# KiCad board mxm_immobilizer.kicad_pcb (continued)
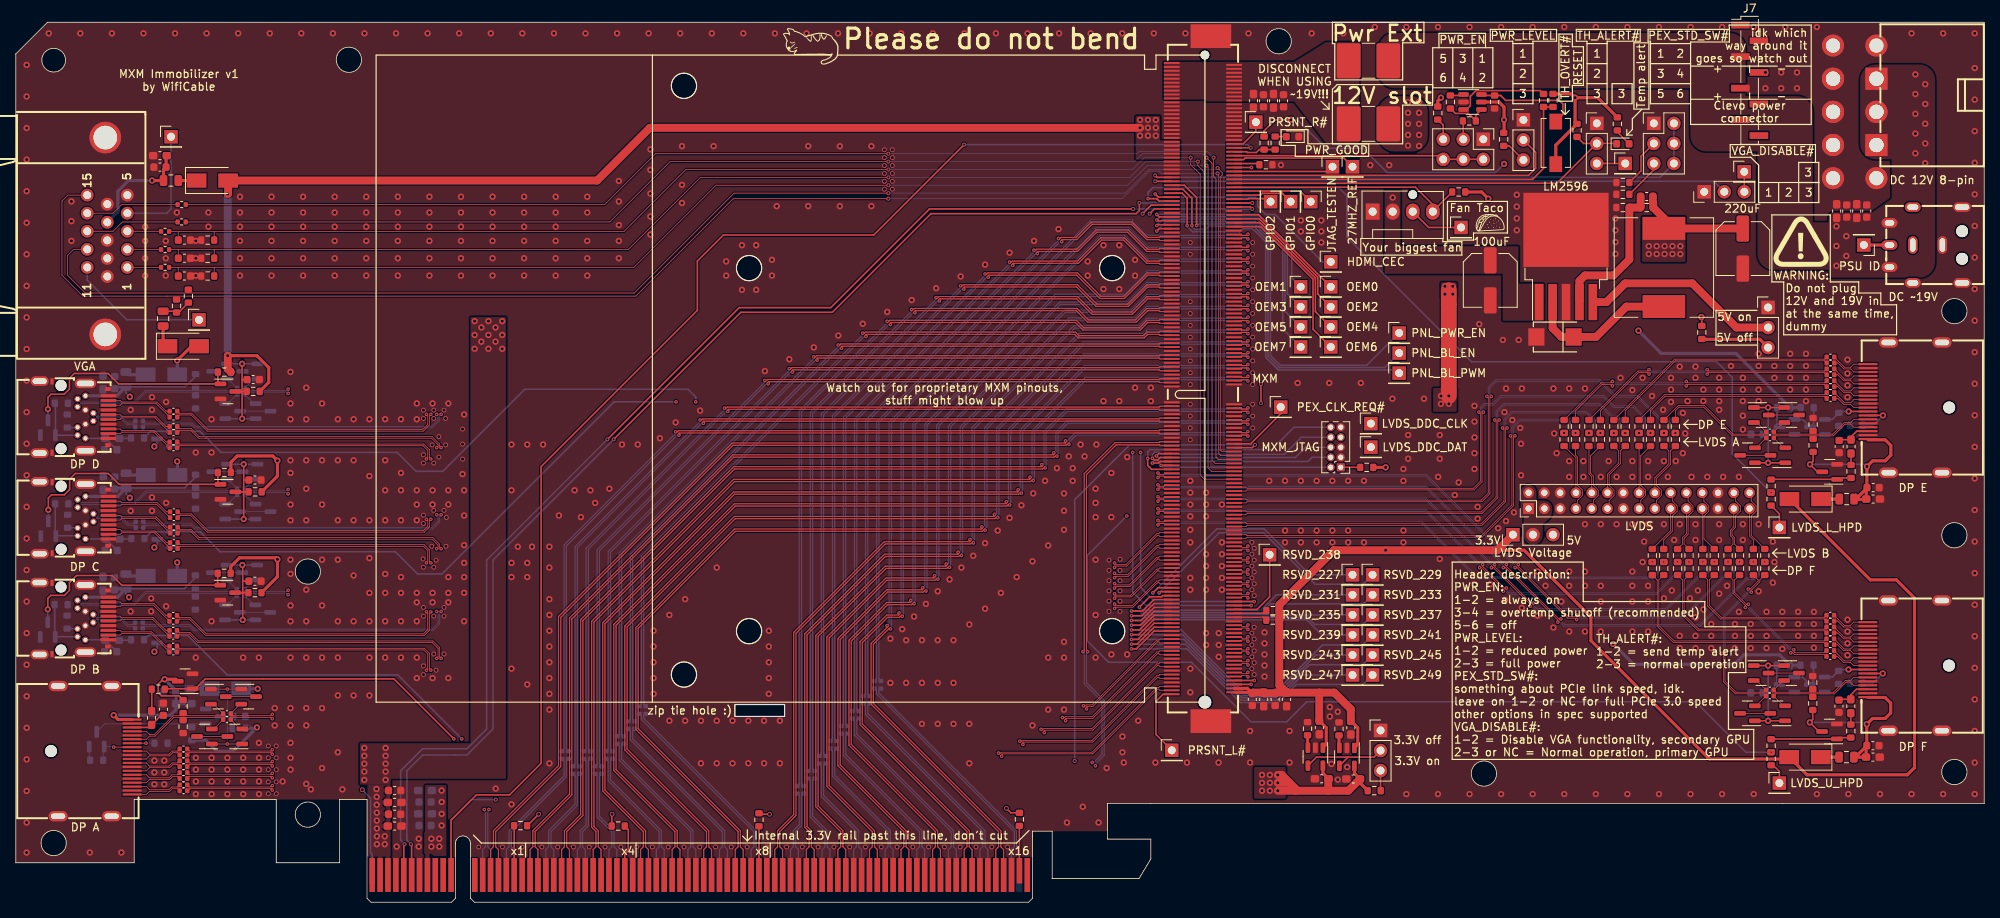
[diagram p0: board, top side]
## Routing (per net, layer and track width the routed paths; a pad name or vN(x,y) marks a point on that pad's centre or on a via; arc(x,y) is an arc through that point) (continued)
/TX7-: length 138.9
  Top w0.15: v3(122.81,47.14) 122.6,47.14 122.46,47 91.16,47 78.84,34.68 78.84,22.01 91.8,9.06 91.8,7.03 92.15,6.68 PCIe_x16_1.B46 ; v3(156.1,72.05) 155.95,72.2 155.33,72.2 155.23,72.1 MXM1.98
  Bottom w0.15: v3(156.1,72.05) 155.95,72.2 143.41,72.2 142.96,71.75 134.76,71.75 123.05,60.04 123.05,47.58 122.81,47.35 v3(122.81,47.14)
/TX8+: length 116.1
  Top w0.15: MXM1.90 155.23,74.1 155.33,73.99 155.95,73.99 v3(156.1,74.14) ; v3(120.89,45.95) 120.89,45.74 120.84,45.69 110.04,45.69 98.55,34.21 98.55,11.11 96.5,9.06 96.5,7.03 96.15,6.68 PCIe_x16_1.B50
  Bottom w0.15: v3(156.1,74.14) 155.95,73.99 143.29,73.99 142.34,73.04 134.04,73.04 121.15,60.16 121.15,46.01 121.1,45.95 v3(120.89,45.95)
/TX8-: length 115.6
  Top w0.15: MXM1.92 155.23,73.6 155.33,73.7 155.95,73.7 v3(156.1,73.55) ; v3(121.31,45.54) 121.1,45.54 120.96,45.4 110.16,45.4 98.84,34.08 98.84,10.99 96.8,8.94 96.8,7.03 97.15,6.68 PCIe_x16_1.B51
  Bottom w0.15: v3(121.31,45.54) 121.31,45.75 121.45,45.88 121.45,60.04 134.16,72.75 142.46,72.75 143.41,73.7 155.95,73.7 v3(156.1,73.55)
/TX9+: length 115.6
  Top w0.15: MXM1.84 155.23,75.6 155.33,75.49 155.95,75.49 v3(156.1,75.64) ; v3(119.39,44.35) 119.39,44.14 119.35,44.1 110.05,44.1 99.95,34.01 99.95,9.49 100.5,8.94 100.5,7.03 100.15,6.68 PCIe_x16_1.B54
  Bottom w0.15: v3(119.39,44.35) 119.6,44.35 119.65,44.41 119.65,60.26 133.44,74.04 141.84,74.04 143.29,75.49 155.95,75.49 v3(156.1,75.64)
/TX9-: length 115.1
  Top w0.15: MXM1.86 155.23,75.1 155.33,75.2 155.95,75.2 v3(156.1,75.05) ; v3(119.81,43.94) 119.6,43.94 119.47,43.81 110.17,43.81 100.24,33.88 100.24,9.61 100.8,9.06 100.8,7.03 101.15,6.68 PCIe_x16_1.B55
  Bottom w0.15: v3(156.1,75.05) 155.95,75.2 143.41,75.2 141.96,73.75 133.56,73.75 119.95,60.14 119.95,44.28 119.81,44.15 v3(119.81,43.94)
/TX10+: length 116.7
  Top w0.15: v3(156.1,77.14) 155.95,76.99 155.33,76.99 155.23,77.1 MXM1.78 ; PCIe_x16_1.B58 104.15,6.68 104.51,7.03 104.51,8.94 101.36,12.09 101.36,33.81 110.14,42.59 117.84,42.59 117.89,42.64 v3(117.89,42.85)
  Bottom w0.15: v3(117.89,42.85) 118.1,42.85 118.15,42.91 118.15,60.36 132.84,75.04 141.34,75.04 143.29,76.99 155.95,76.99 v3(156.1,77.14)
/TX10-: length 116.2
  Top w0.15: v3(156.1,76.55) 155.95,76.7 155.33,76.7 155.23,76.6 MXM1.80 ; PCIe_x16_1.B59 105.15,6.68 104.8,7.03 104.8,9.06 101.64,12.21 101.64,33.68 110.26,42.3 117.96,42.3 118.1,42.44 v3(118.31,42.44)
  Bottom w0.15: v3(156.1,76.55) 155.95,76.7 143.41,76.7 141.46,74.75 132.96,74.75 118.45,60.24 118.45,42.78 118.31,42.65 v3(118.31,42.44)
/TX11+: length 117.8
  Top w0.15: MXM1.72 155.23,78.6 155.33,78.49 155.95,78.49 v3(156.1,78.64) ; PCIe_x16_1.B62 108.15,6.68 108.51,7.03 108.51,8.94 102.76,14.69 102.76,33.61 110.24,41.09 116.34,41.09 116.39,41.14 v3(116.39,41.35)
  Bottom w0.15: v3(156.1,78.64) 155.95,78.49 143.29,78.49 140.84,76.04 132.24,76.04 116.65,60.46 116.65,41.41 116.6,41.35 v3(116.39,41.35)
/TX11-: length 117.3
  Top w0.15: PCIe_x16_1.B63 109.15,6.68 108.8,7.03 108.8,9.06 103.05,14.81 103.05,33.48 110.36,40.8 116.46,40.8 116.6,40.94 v3(116.81,40.94) ; MXM1.74 155.23,78.1 155.33,78.2 155.95,78.2 v3(156.1,78.05)
  Bottom w0.15: v3(116.81,40.94) 116.81,41.15 116.95,41.28 116.95,60.34 132.36,75.75 140.96,75.75 143.41,78.2 155.95,78.2 v3(156.1,78.05)
/TX12+: length 118.9
  Top w0.15: MXM1.66 155.23,80.1 155.33,79.99 155.95,79.99 v3(156.1,80.14) ; PCIe_x16_1.B66 112.15,6.68 112.51,7.03 112.51,8.94 104.15,17.29 104.15,33.41 110.34,39.59 114.84,39.59 114.89,39.64 v3(114.89,39.85)
  Bottom w0.15: v3(156.1,80.14) 155.95,79.99 143.29,79.99 140.34,77.04 131.64,77.04 115.15,60.56 115.15,39.91 115.1,39.85 v3(114.89,39.85)
/TX12-: length 118.5
  Top w0.15: PCIe_x16_1.B67 113.15,6.68 112.8,7.03 112.8,9.06 104.45,17.41 104.45,33.28 110.46,39.3 114.96,39.3 115.1,39.44 v3(115.31,39.44) ; MXM1.68 155.23,79.6 155.33,79.7 155.95,79.7 v3(156.1,79.55)
  Bottom w0.15: v3(115.31,39.44) 115.31,39.65 115.45,39.78 115.45,60.44 131.76,76.75 140.46,76.75 143.41,79.7 155.95,79.7 v3(156.1,79.55)
/TX13+: length 122.6
  Top w0.15: PCIe_x16_1.B70 116.15,6.68 116.51,7.03 116.51,8.94 105.55,19.89 105.55,33.21 110.34,37.99 113.34,37.99 113.39,38.04 v3(113.39,38.25) ; v3(156.1,81.64) 155.95,81.49 155.33,81.49 155.23,81.6 MXM1.60
  Bottom w0.15: v3(156.1,81.64) 155.95,81.49 143.41,81.49 140.46,84.44 137.44,84.44 113.65,60.66 113.65,38.31 113.6,38.25 v3(113.39,38.25)
/TX13-: length 122.1
  Top w0.15: v3(113.81,37.84) 113.6,37.84 113.46,37.7 110.46,37.7 105.84,33.08 105.84,20.01 116.8,9.06 116.8,7.03 117.15,6.68 PCIe_x16_1.B71 ; v3(156.1,81.05) 155.95,81.2 155.33,81.2 155.23,81.1 MXM1.62
  Bottom w0.15: v3(113.81,37.84) 113.81,38.05 113.95,38.18 113.95,60.54 137.56,84.15 140.34,84.15 143.29,81.2 155.95,81.2 v3(156.1,81.05)
/TX14+: length 123.3
  Top w0.15: v3(156.1,83.14) 155.95,82.99 155.33,82.99 155.23,83.1 MXM1.54 ; PCIe_x16_1.B74 120.15,6.68 120.51,7.03 120.51,8.94 106.95,22.49 106.95,33.01 110.34,36.39 111.84,36.39 111.89,36.44 v3(111.89,36.65)
  Bottom w0.15: v3(156.1,83.14) 155.95,82.99 143.41,82.99 140.96,85.44 136.84,85.44 112.15,60.76 112.15,36.71 112.1,36.65 v3(111.89,36.65)
/TX14-: length 122.8
  Top w0.15: v3(112.31,36.24) 112.1,36.24 111.96,36.1 110.46,36.1 107.24,32.88 107.24,22.61 120.8,9.06 120.8,7.03 121.15,6.68 PCIe_x16_1.B75 ; v3(156.1,82.55) 155.95,82.7 155.33,82.7 155.23,82.6 MXM1.56
  Bottom w0.15: v3(112.31,36.24) 112.31,36.45 112.45,36.58 112.45,60.64 136.96,85.15 140.84,85.15 143.29,82.7 155.95,82.7 v3(156.1,82.55)
/TX15+: length 124.1
  Top w0.15: MXM1.48 155.23,84.6 155.33,84.49 155.95,84.49 v3(156.1,84.64) ; v3(110.39,35.05) 110.39,34.84 108.36,32.81 108.36,25.09 124.51,8.94 124.51,7.03 124.15,6.68 PCIe_x16_1.B78
  Bottom w0.15: v3(156.1,84.64) 155.95,84.49 143.41,84.49 141.46,86.44 136.24,86.44 110.65,60.86 110.65,35.11 110.6,35.05 v3(110.39,35.05)
/TX15-: length 123.6
  Top w0.15: v3(110.81,34.64) 110.6,34.64 108.64,32.68 108.64,25.21 124.8,9.06 124.8,7.03 125.15,6.68 PCIe_x16_1.B79 ; MXM1.50 155.23,84.1 155.33,84.2 155.95,84.2 v3(156.1,84.05)
  Bottom w0.15: v3(110.81,34.64) 110.81,34.85 110.95,34.98 110.95,60.74 136.36,86.15 141.34,86.15 143.29,84.2 155.95,84.2 v3(156.1,84.05)
DP_A_AUX+: length 130
  Top w0.1: v3(32.5,23.24) 32.33,23.42 27.5,23.42 C57.1 28.43,21.95 Q24.2 ; v3(124.9,18.5) 124.9,18.75 124.94,18.79 136.44,18.79 144.64,26.99 144.8,26.99 144.95,26.85 MXM1.279
  In2.Cu w0.1: v3(124.9,18.5) 124.65,18.5 122.84,16.69 66.16,16.69 57.86,24.99 41.14,24.99 39.57,23.42 32.67,23.42 v3(32.5,23.24)
DP_A_AUX-: length 129.9
  Top w0.1: v3(32.5,23.8) 32.33,23.63 27.5,23.63 C56.1 28.43,25.1 Q23.2 ; MXM1.277 144.95,27.35 144.8,27.2 144.56,27.2 136.36,19 124.86,19 124.75,18.9 v3(124.5,18.9)
  In2.Cu w0.1: v3(124.5,18.9) 124.5,18.65 122.76,16.9 66.24,16.9 57.94,25.2 41.06,25.2 39.48,23.63 32.67,23.63 v3(32.5,23.8)
DP_A_HPD: length 153.5
  Top w0.2: R12.1 18.93,27.05 D10.1 22.75,27.05 24,28.3 47.9,28.3 v3(55.5,20.7) ; v3(156.5,27.6) MXM1.276
  In2.Cu w0.2: v3(156.5,27.6) 146,27.6 143.28,24.88 138.23,24.88 135.93,22.58 134.73,22.58 124.2,12.05 64.15,12.05 v3(55.5,20.7)
DP_A_L0+: length 139.8
  Top w0.1: MXM1.255 144.95,32.85 144.8,32.99 144.64,32.99 136.44,24.79 135.7,24.79 135.65,24.74 v3(135.65,24.49) ; C43.1 22,14.39 32.33,14.39 v3(32.5,14.21)
  In2.Cu w0.1: v3(32.5,14.21) 32.67,14.39 34.94,14.39 41.94,21.39 57.06,21.39 65.36,13.09 124,13.09 135.4,24.49 v3(135.65,24.49)
DP_A_L0-: length 139.8
  Top w0.1: MXM1.253 144.95,33.35 144.8,33.2 144.56,33.2 136.36,25 135.62,25 135.5,24.89 v3(135.26,24.89) ; C42.1 22,14.6 32.33,14.6 v3(32.5,14.77)
  In2.Cu w0.1: v3(135.26,24.89) 135.26,24.64 123.92,13.3 65.44,13.3 57.14,21.6 41.86,21.6 34.85,14.6 32.67,14.6 v3(32.5,14.77)
DP_A_L1+: length 138.5
  Top w0.1: v3(133,23) 133,23.25 133.04,23.29 136.44,23.29 144.64,31.49 144.8,31.49 144.95,31.35 MXM1.261 ; v3(32.5,15.76) 32.33,15.94 22,15.94 C41.1
  In2.Cu w0.1: v3(133,23) 132.75,23 123.74,13.99 65.56,13.99 57.26,22.29 41.74,22.29 35.39,15.94 32.67,15.94 v3(32.5,15.76)
DP_A_L1-: length 138.5
  Top w0.1: v3(132.6,23.4) 132.85,23.4 132.96,23.5 136.36,23.5 144.56,31.7 144.8,31.7 144.95,31.85 MXM1.259 ; v3(32.5,16.32) 32.33,16.15 22,16.15 C40.1
  In2.Cu w0.1: v3(32.5,16.32) 32.67,16.15 35.3,16.15 41.66,22.5 57.34,22.5 65.64,14.2 123.66,14.2 132.6,23.15 v3(132.6,23.4)
DP_A_L2+: length 137.3
  Top w0.1: v3(32.5,17.26) 32.33,17.44 22,17.44 C39.1 ; v3(130.3,21.5) 130.3,21.75 130.34,21.79 136.44,21.79 144.64,29.99 144.8,29.99 144.95,29.85 MXM1.267
  In2.Cu w0.1: v3(130.3,21.5) 130.05,21.5 123.44,14.89 65.76,14.89 57.46,23.19 41.54,23.19 35.79,17.44 32.67,17.44 v3(32.5,17.26)
DP_A_L2-: length 137.3
  Top w0.1: v3(129.9,21.9) 130.15,21.9 130.26,22 136.36,22 144.56,30.2 144.8,30.2 144.95,30.35 MXM1.265 ; v3(32.5,17.82) 32.33,17.65 22,17.65 C38.1
  In2.Cu w0.1: v3(129.9,21.9) 129.9,21.65 123.36,15.1 65.84,15.1 57.54,23.4 41.46,23.4 35.7,17.65 32.67,17.65 v3(32.5,17.82)
DP_A_L3+: length 136
  Top w0.1: v3(127.6,20) 127.6,20.25 127.64,20.29 136.44,20.29 144.64,28.49 144.8,28.49 144.95,28.35 MXM1.273 ; v3(32.5,18.76) 32.33,18.94 22,18.94 C37.1
  In2.Cu w0.1: v3(127.6,20) 127.35,20 123.14,15.79 65.96,15.79 57.66,24.09 41.34,24.09 36.19,18.94 32.67,18.94 v3(32.5,18.76)
DP_A_L3-: length 136
  Top w0.1: C36.1 22,19.15 32.33,19.15 v3(32.5,19.32) ; MXM1.271 144.95,28.85 144.8,28.7 144.56,28.7 136.36,20.5 127.56,20.5 127.45,20.4 v3(127.2,20.4)
  In2.Cu w0.1: v3(32.5,19.32) 32.67,19.15 36.1,19.15 41.26,24.3 57.74,24.3 66.04,16 123.06,16 127.2,20.15 v3(127.2,20.4)
DP_B_AUX+: length 144.3
  Top w0.1: v3(156.1,28.57) 155.93,28.74 155.37,28.74 155.23,28.6 MXM1.272
  In2.Cu w0.1: v3(156.1,28.57) 155.93,28.74 144.89,28.74 142.44,26.29 130.74,26.29 122.64,18.19 66.36,18.19 58.06,26.49 47.56,26.49 34.91,39.14 34.67,39.14 v3(34.5,38.97)
  Bottom w0.1: Q22.2 30.17,37.67 C55.1 29.24,39.14 34.33,39.14 v3(34.5,38.97)
DP_B_AUX-: length 144.9
  Top w0.1: MXM1.270 155.23,29.1 155.37,28.95 155.93,28.95 v3(156.1,29.13)
  In2.Cu w0.1: v3(156.1,29.13) 155.93,28.95 144.81,28.95 142.36,26.5 130.66,26.5 122.56,18.4 66.44,18.4 58.14,26.7 47.64,26.7 34.99,39.35 34.67,39.35 v3(34.5,39.53)
  Bottom w0.1: v3(34.5,39.53) 34.33,39.35 29.24,39.35 C54.1 30.17,40.82 Q21.2
  Bottom w0.2: 30.57,40.87 30.17,40.87
DP_B_HPD: length 158.8
  Top w0.2: v3(156.9,28.1) MXM1.274
  In2.Cu w0.2: v3(56.5,20.7) 64.8,12.4 123.95,12.4 134.68,23.13 135.58,23.13 137.93,25.48 142.88,25.48 145.5,28.1 v3(156.9,28.1)
  Bottom w0.2: R6.1 16.8,33.8 D9.1 21.8,33.8 26.8,28.8 48.4,28.8 v3(56.5,20.7)
DP_B_L0+: length 156.7
  Top w0.1: MXM1.248 155.23,34.6 155.37,34.74 155.93,34.74 v3(156.1,34.57)
  In2.Cu w0.1: v3(156.1,34.57) 155.93,34.74 145.29,34.74 140.44,29.89 129.94,29.89 121.84,21.79 67.16,21.79 53.49,35.46 53.49,36.66 v3(53.32,36.84)
  Bottom w0.1: C29.1 16.35,35.18 22.07,35.18 22.64,34.6 52.76,34.6 53.49,35.34 53.49,36.66 v3(53.32,36.84)
DP_B_L0-: length 156.7
  Top w0.1: MXM1.246 155.23,35.1 155.37,34.95 155.93,34.95 v3(156.1,35.13)
  In2.Cu w0.1: v3(156.1,35.13) 155.93,34.95 145.21,34.95 140.36,30.1 129.86,30.1 121.76,22 67.24,22 53.7,35.54 53.7,36.66 v3(53.88,36.84)
  Bottom w0.1: C31.1 16.35,34.97 21.98,34.97 22.56,34.39 52.84,34.39 53.7,35.26 53.7,36.66 v3(53.88,36.84)
DP_B_L1+: length 153.6
  Top w0.1: v3(156.1,33.07) 155.93,33.24 155.37,33.24 155.23,33.1 MXM1.254 ; v3(52.02,36.8) 52.19,36.62 52.19,34.54 51.66,34 24.14,34 22.07,36.08 20.7,36.08 C27.1
  In2.Cu w0.1: v3(156.1,33.07) 155.93,33.24 144.89,33.24 140.64,28.99 130.14,28.99 122.04,20.89 66.96,20.89 52.19,35.66 52.19,36.62 v3(52.02,36.8)
DP_B_L1-: length 153.6
  Top w0.1: v3(156.1,33.63) 155.93,33.45 155.37,33.45 155.23,33.6 MXM1.252 ; C28.1 20.7,35.87 21.98,35.87 24.06,33.79 51.74,33.79 52.41,34.46 52.41,36.62 v3(52.58,36.8)
  In2.Cu w0.1: v3(156.1,33.63) 155.93,33.45 144.81,33.45 140.56,29.2 130.06,29.2 121.96,21.1 67.04,21.1 52.41,35.74 52.41,36.62 v3(52.58,36.8)
DP_B_L2+: length 151.2
  Top w0.1: MXM1.260 155.23,31.6 155.37,31.74 155.93,31.74 v3(156.1,31.57) ; v3(53.88,30.9) 53.7,31.07 53.7,32.24 52.84,33.1 23.14,33.1 22.07,34.18 20.7,34.18 C30.1
  In2.Cu w0.1: v3(156.1,31.57) 155.93,31.74 144.89,31.74 141.24,28.09 130.34,28.09 122.24,19.99 66.76,19.99 54.46,32.29 53.94,32.29 53.7,32.06 53.7,31.07 v3(53.88,30.9)
DP_B_L2-: length 151.2
  Top w0.1: C32.1 20.7,33.97 21.98,33.97 23.06,32.89 52.76,32.89 53.49,32.16 53.49,31.07 v3(53.32,30.9) ; MXM1.258 155.23,32.1 155.37,31.95 155.93,31.95 v3(156.1,32.13)
  In2.Cu w0.1: v3(156.1,32.13) 155.93,31.95 144.81,31.95 141.16,28.3 130.26,28.3 122.16,20.2 66.84,20.2 54.54,32.5 53.86,32.5 53.49,32.14 53.49,31.07 v3(53.32,30.9)
DP_B_L3+: length 150
  Top w0.1: v3(52.58,29.4) 52.41,29.57 52.41,31.54 51.77,32.18 20.7,32.18 C33.1 ; MXM1.266 155.23,30.1 155.37,30.24 155.93,30.24 v3(156.1,30.07)
  In2.Cu w0.1: v3(52.58,29.4) 52.41,29.57 52.41,29.86 52.64,30.09 55.56,30.09 66.56,19.09 122.44,19.09 130.54,27.19 141.84,27.19 144.89,30.24 155.93,30.24 v3(156.1,30.07)
DP_B_L3-: length 150
  Top w0.1: C34.1 20.7,31.97 51.68,31.97 52.19,31.46 52.19,29.57 v3(52.02,29.4) ; v3(156.1,30.63) 155.93,30.45 155.37,30.45 155.23,30.6 MXM1.264
  In2.Cu w0.1: v3(156.1,30.63) 155.93,30.45 144.81,30.45 141.76,27.4 130.46,27.4 122.36,19.3 66.64,19.3 55.64,30.3 52.56,30.3 52.19,29.94 52.19,29.57 v3(52.02,29.4)
DP_C_AUX+: length 143.8
  Top w0.1: MXM1.225 144.95,40.35 144.8,40.49 144.64,40.49 141.54,37.39 139.38,37.39 v3(139.2,37.22)
  In2.Cu w0.1: v3(139.2,37.22) 139.03,37.39 135.74,37.39 121.64,23.29 100.96,23.29 96.69,27.56 96.69,36.16 92.76,40.09 46.86,40.09 35.03,51.92 34.67,51.92 v3(34.5,51.74)
  Bottom w0.1: Q20.2 30.21,50.45 C53.1 29.28,51.92 34.33,51.92 v3(34.5,51.74)
DP_C_AUX-: length 144
  Top w0.1: v3(139.2,37.78) 139.38,37.6 141.46,37.6 144.56,40.7 144.8,40.7 144.95,40.85 MXM1.223
  In2.Cu w0.1: v3(139.2,37.78) 139.03,37.6 135.66,37.6 121.56,23.5 101.04,23.5 96.91,27.64 96.91,36.24 92.84,40.3 46.94,40.3 35.12,52.13 34.67,52.13 v3(34.5,52.3)
  Bottom w0.1: Q19.2 30.21,53.6 C52.1 29.28,52.13 34.33,52.13 v3(34.5,52.3)
DP_C_HPD: length 175.8
  Top w0.2: v3(156.9,38.1) MXM1.234
  In2.Cu w0.2: v3(142.5,57) 135.5,64 84.25,64 v3(83.65,63.4)
  Bottom w0.2: 19.86,46.92 17.15,46.92 R5.1 ; D8.1 23.38,46.92 25.9,44.4 48.1,44.4 50.9,41.6 54,41.6 75.8,63.4 v3(83.65,63.4) ; v3(156.9,38.1) 144.3,38.1 142.5,39.9 v3(142.5,57)
DP_C_L0+: length 154.7
  Top w0.1: MXM1.201 144.95,46.35 144.8,46.49 144.64,46.49 140.74,42.59 139.38,42.59 v3(139.2,42.42)
  In2.Cu w0.1: v3(53.32,49.1) 53.49,48.92 53.49,48.66 54.36,47.79 89.46,47.79 100.3,36.96 100.3,28.36 101.76,26.89 120.84,26.89 136.54,42.59 139.03,42.59 v3(139.2,42.42)
  Bottom w0.1: v3(53.32,49.1) 53.49,48.92 53.49,48.24 52.76,47.5 22.74,47.5 22.29,47.95 16.43,47.95 C20.1
DP_C_L0-: length 154.7
  Top w0.1: MXM1.199 144.95,46.85 144.8,46.7 144.56,46.7 140.66,42.8 139.38,42.8 v3(139.2,42.98)
  In2.Cu w0.1: v3(53.88,49.1) 53.7,48.92 53.7,48.74 54.44,48 89.54,48 100.5,37.04 100.5,28.44 101.84,27.1 120.76,27.1 136.46,42.8 139.03,42.8 v3(139.2,42.98)
  Bottom w0.1: C22.1 16.43,47.74 22.21,47.74 22.66,47.29 52.84,47.29 53.7,48.16 53.7,48.92 v3(53.88,49.1)
DP_C_L1+: length 151.3
  Top w0.1: v3(52.02,48.52) 52.2,48.34 52.2,47.64 51.66,47.1 24.34,47.1 22.24,49.2 20.78,49.2 C18.1 ; MXM1.207 144.95,44.85 144.8,44.99 144.64,44.99 140.94,41.29 139.38,41.29 v3(139.2,41.12)
  In2.Cu w0.1: v3(139.2,41.12) 139.03,41.29 136.34,41.29 121.04,25.99 101.56,25.99 99.39,28.16 99.39,36.76 89.26,46.89 52.66,46.89 52.2,47.36 52.2,48.34 v3(52.02,48.52)
DP_C_L1-: length 151.3
  Top w0.1: v3(52.58,48.52) 52.41,48.34 52.41,47.56 51.74,46.89 24.26,46.89 22.16,48.99 20.78,48.99 C19.1 ; MXM1.205 144.95,45.35 144.8,45.2 144.56,45.2 140.86,41.5 139.38,41.5 v3(139.2,41.68)
  In2.Cu w0.1: v3(139.2,41.68) 139.03,41.5 136.26,41.5 120.96,26.2 101.64,26.2 99.61,28.24 99.61,36.84 89.34,47.1 52.74,47.1 52.41,47.44 52.41,48.34 v3(52.58,48.52)
DP_C_L2+: length 149.8
  Top w0.1: MXM1.213 144.95,43.35 144.8,43.49 144.64,43.49 141.14,39.99 139.38,39.99 v3(139.2,39.82) ; C21.1 20.78,47.25 22.19,47.25 23.24,46.2 52.84,46.2 53.7,45.34 53.7,44.97 v3(53.88,44.8)
  In2.Cu w0.1: v3(139.2,39.82) 139.03,39.99 136.14,39.99 121.24,25.09 101.36,25.09 98.49,27.96 98.49,36.56 89.06,45.99 54.44,45.99 53.7,45.26 53.7,44.97 v3(53.88,44.8)
DP_C_L2-: length 149.8
  Top w0.1: v3(139.2,40.38) 139.38,40.2 141.06,40.2 144.56,43.7 144.8,43.7 144.95,43.85 MXM1.211 ; C23.1 20.78,47.04 22.11,47.04 23.16,45.99 52.76,45.99 53.49,45.26 53.49,44.97 v3(53.32,44.8)
  In2.Cu w0.1: v3(53.32,44.8) 53.49,44.97 53.49,45.34 54.36,46.2 89.14,46.2 98.7,36.64 98.7,28.04 101.44,25.3 121.16,25.3 136.06,40.2 139.03,40.2 v3(139.2,40.38)
DP_C_L3+: length 149.6
  Top w0.1: v3(139.2,38.52) 139.38,38.69 141.34,38.69 144.64,41.99 144.8,41.99 144.95,41.85 MXM1.219 ; C24.1 20.78,45.3 51.74,45.3 52.41,44.64 52.41,43.17 v3(52.58,43)
  In2.Cu w0.1: v3(52.58,43) 52.41,43.17 52.41,43.56 52.74,43.89 90.06,43.89 97.59,36.36 97.59,27.76 101.16,24.19 121.44,24.19 135.94,38.69 139.03,38.69 v3(139.2,38.52)
DP_C_L3-: length 149.6
  Top w0.1: MXM1.217 144.95,42.35 144.8,42.2 144.56,42.2 141.26,38.9 139.38,38.9 v3(139.2,39.08) ; C25.1 20.78,45.09 51.66,45.09 52.19,44.56 52.19,43.17 v3(52.02,43)
  In2.Cu w0.1: v3(139.2,39.08) 139.03,38.9 135.86,38.9 121.36,24.4 101.24,24.4 97.8,27.84 97.8,36.44 90.14,44.1 52.66,44.1 52.19,43.64 52.19,43.17 v3(52.02,43)
DP_D_AUX+: length 158.1
  Top w0.1: v3(156.1,38.57) 155.93,38.74 155.37,38.74 155.23,38.6 MXM1.232
  In2.Cu w0.1: v3(156.1,38.57) 155.93,38.74 146.01,38.74 140.66,44.09 136.34,44.09 120.64,28.39 105.06,28.39 101.8,31.66 101.8,37.16 85.76,53.19 46.86,53.19 35.41,64.64 34.67,64.64 v3(34.5,64.47)
  Bottom w0.1: v3(34.5,64.47) 34.33,64.64 29.28,64.64 C51.1 30.21,63.17 Q18.2
DP_D_AUX-: length 158.4
  Top w0.1: v3(156.1,39.13) 155.93,38.95 155.37,38.95 155.23,39.1 MXM1.230
  In2.Cu w0.1: v3(156.1,39.13) 155.93,38.95 146.09,38.95 140.74,44.3 136.26,44.3 120.56,28.6 105.14,28.6 102.01,31.74 102.01,37.24 85.84,53.4 46.94,53.4 35.49,64.85 34.67,64.85 v3(34.5,65.03)
  Bottom w0.1: Q17.2 30.21,66.32 C50.1 29.28,64.85 34.33,64.85 v3(34.5,65.03)
DP_D_HPD: length 171.3
  Top w0.2: v3(156.5,37.6) MXM1.236
  In2.Cu w0.2: v3(141.5,57) 141.5,57.1 135.2,63.4 v3(86.15,63.4)
  Bottom w0.2: R4.1 17.1,59.67 D7.1 23.32,59.67 26,57 48.3,57 50.7,54.6 54.1,54.6 64.5,65 85.15,65 86.15,64 v3(86.15,63.4) ; v3(141.5,57) 141.5,39.3 143.2,37.6 v3(156.5,37.6)
DP_D_L0+: length 167
  Top w0.1: MXM1.208 155.23,44.6 155.37,44.74 155.93,44.74 v3(156.1,44.57)
  In2.Cu w0.1: v3(53.32,61.82) 53.5,61.64 53.5,61.26 54.16,60.59 56.76,60.59 60.56,56.79 86.56,56.79 105.39,37.96 105.39,32.46 105.86,31.99 119.84,31.99 135.54,47.69 141.46,47.69 144.41,44.74 155.93,44.74 v3(156.1,44.57)
  Bottom w0.1: v3(53.32,61.82) 53.5,61.64 53.5,61.14 52.66,60.3 22.74,60.3 22.34,60.7 16.38,60.7 C11.1
DP_D_L0-: length 167
  Top w0.1: v3(156.1,45.13) 155.93,44.95 155.37,44.95 155.23,45.1 MXM1.206
  In2.Cu w0.1: v3(53.88,61.82) 53.71,61.64 53.71,61.34 54.24,60.8 56.84,60.8 60.64,57 86.64,57 105.61,38.04 105.61,32.54 105.94,32.2 119.76,32.2 135.46,47.9 141.54,47.9 144.49,44.95 155.93,44.95 v3(156.1,45.13)
  Bottom w0.1: v3(53.88,61.82) 53.71,61.64 53.71,61.06 52.74,60.09 22.66,60.09 22.26,60.49 16.38,60.49 C13.1
DP_D_L1+: length 165
  Top w0.1: v3(52.02,61.82) 52.2,61.64 52.2,60.54 51.56,59.9 24.34,59.9 22.29,61.95 20.72,61.95 C9.1 ; MXM1.214 155.23,43.1 155.37,43.24 155.93,43.24 v3(156.1,43.07)
  In2.Cu w0.1: v3(52.02,61.82) 52.2,61.64 52.2,60.46 52.96,59.69 55.76,59.69 59.56,55.89 86.36,55.89 104.49,37.76 104.49,32.26 105.66,31.09 120.04,31.09 135.74,46.79 141.26,46.79 144.81,43.24 155.93,43.24 v3(156.1,43.07)
DP_D_L1-: length 165
  Top w0.1: v3(156.1,43.63) 155.93,43.45 155.37,43.45 155.23,43.6 MXM1.212 ; v3(52.58,61.82) 52.41,61.64 52.41,60.46 51.64,59.69 24.26,59.69 22.21,61.74 20.72,61.74 C10.1
  In2.Cu w0.1: v3(156.1,43.63) 155.93,43.45 144.89,43.45 141.34,47 135.66,47 119.96,31.3 105.74,31.3 104.7,32.34 104.7,37.84 86.44,56.1 59.64,56.1 55.84,59.9 53.04,59.9 52.41,60.54 52.41,61.64 v3(52.58,61.82)
DP_D_L2+: length 163.1
  Top w0.1: C12.1 20.72,60 22.24,60 23.24,59 52.74,59 53.7,58.04 53.7,57.78 v3(53.88,57.61) ; MXM1.220 155.23,41.6 155.37,41.74 155.93,41.74 v3(156.1,41.57)
  In2.Cu w0.1: v3(53.88,57.61) 53.7,57.78 53.7,58.06 54.44,58.79 54.76,58.79 58.56,54.99 86.16,54.99 103.59,37.56 103.59,32.06 105.46,30.19 120.24,30.19 135.94,45.89 141.06,45.89 145.21,41.74 155.93,41.74 v3(156.1,41.57)
DP_D_L2-: length 163.1
  Top w0.1: C14.1 20.72,59.79 22.16,59.79 23.16,58.79 52.66,58.79 53.49,57.96 53.49,57.78 v3(53.32,57.61) ; v3(156.1,42.13) 155.93,41.95 155.37,41.95 155.23,42.1 MXM1.218
  In2.Cu w0.1: v3(156.1,42.13) 155.93,41.95 145.29,41.95 141.14,46.1 135.86,46.1 120.16,30.4 105.54,30.4 103.8,32.14 103.8,37.64 86.24,55.2 58.64,55.2 54.84,59 54.36,59 53.49,58.14 53.49,57.78 v3(53.32,57.61)
DP_D_L3+: length 163
  Top w0.1: v3(52.58,56.16) 52.41,56.34 52.41,57.34 51.69,58.05 20.72,58.05 C15.1 ; MXM1.226 155.23,40.1 155.37,40.24 155.93,40.24 v3(156.1,40.07)
  In2.Cu w0.1: v3(52.58,56.16) 52.41,56.34 52.41,56.56 52.74,56.89 54.76,56.89 57.56,54.09 85.96,54.09 102.7,37.36 102.7,31.86 105.26,29.29 120.44,29.29 136.14,44.99 140.86,44.99 145.61,40.24 155.93,40.24 v3(156.1,40.07)
DP_D_L3-: length 163
  Top w0.1: v3(156.1,40.63) 155.93,40.45 155.37,40.45 155.23,40.6 MXM1.224 ; v3(52.02,56.16) 52.19,56.34 52.19,57.26 51.61,57.84 20.72,57.84 C16.1
  In2.Cu w0.1: v3(156.1,40.63) 155.93,40.45 145.69,40.45 140.94,45.2 136.06,45.2 120.36,29.5 105.34,29.5 102.9,31.94 102.9,37.44 86.04,54.3 57.64,54.3 54.84,57.1 52.66,57.1 52.19,56.64 52.19,56.34 v3(52.02,56.16)
DP_E_AUX+: length 17.4
  Top w0.1: 220.2,60.78 220.56,60.78 C88.1 221.49,59.31 217.55,59.31 213.92,62.94 210.64,62.94 R56.2
DP_E_AUX-: length 16.4
  Top w0.1: Q26.2 220.51,57.58 C89.1 221.49,59.1 217.46,59.1 213.84,62.73 210.72,62.73 210.25,62.26 R55.2
DP_E_HPD: length 10.2
  Top w0.2: R49.2 222.4,53.58 D13.1 230.92,53.76 R116.1
DP_E_L0+: length 30.3
  Top w0.1: C96.1 229.15,68.81 210.16,68.81 R60.2
DP_E_L0-: length 29.4
  Top w0.1: C97.1 229.15,68.6 210.25,68.6 203.9,62.26 R59.2
DP_E_L1+: length 33.1
  Top w0.1: v3(206.92,67.49) 206.74,67.31 205.51,67.31 R64.2 ; v3(214.29,67.49) 214.47,67.31 229.15,67.31 C98.1
  Bottom w0.1: v3(214.29,67.49) 214.12,67.31 207.09,67.31 v3(206.92,67.49)
DP_E_L1-: length 32.2
  Top w0.1: v3(214.29,66.93) 214.47,67.1 229.15,67.1 C99.1 ; R63.2 200.75,62.26 205.6,67.1 206.74,67.1 v3(206.92,66.93)
  Bottom w0.1: v3(206.92,66.93) 207.09,67.1 214.12,67.1 v3(214.29,66.93)
DP_E_L2+: length 35.6
  Top w0.1: C100.1 229.15,65.81 211.81,65.81 v3(211.63,65.99) ; v3(202.28,65.99) 202.1,65.81 200.86,65.81 R68.2
  Bottom w0.1: v3(202.28,65.99) 202.45,65.81 211.46,65.81 v3(211.63,65.99)
DP_E_L2-: length 34.8
  Top w0.1: R67.2 197.6,62.26 200.95,65.6 202.1,65.6 v3(202.28,65.43) ; C101.1 229.15,65.6 211.81,65.6 v3(211.63,65.43)
  Bottom w0.1: v3(202.28,65.43) 202.45,65.6 211.46,65.6 v3(211.63,65.43)
DP_E_L3+: length 25.2
  Top w0.1: C102.1 229.15,64.31 208.86,64.31 R52.2
DP_E_L3-: length 24.3
  Top w0.1: R51.2 207.1,62.26 208.95,64.1 229.15,64.1 C103.1
DP_F_AUX+: length 23.8
  Top w0.1: Q27.2 220.54,28.09 C90.1 221.47,26.62 217.95,26.62 216.54,28.03 216.54,31.37 v3(216.71,31.55) ; R85.2 220.96,40.84 220.96,40.62 219.88,39.53 v3(219.88,39.29)
  Bottom w0.1: v3(216.71,31.55) 216.54,31.72 216.54,36.19 219.63,39.29 v3(219.88,39.29)
DP_F_AUX-: length 24
  Top w0.1: Q28.2 220.49,24.89 C91.1 221.47,26.41 217.86,26.41 216.33,27.94 216.33,31.37 v3(216.15,31.55) ; v3(219.48,39.68) 219.73,39.68 220.75,40.7 220.75,40.84 R84.2
  Bottom w0.1: v3(219.48,39.68) 219.48,39.44 216.33,36.28 216.33,31.72 v3(216.15,31.55)
DP_F_HPD: length 10.2
  Top w0.2: R117.1 230.89,20.86 D14.1 222.41,20.69 R78.2
DP_F_L0+: length 19.7
  Top w0.1: C104.1 229.13,36.11 216.06,36.11 214.56,37.6 214.56,40.84 R89.2
DP_F_L0-: length 20
  Top w0.1: C105.1 229.13,35.9 215.97,35.9 214.35,37.52 214.35,40.84 R88.2
DP_F_L1+: length 24.2
  Top w0.1: C106.1 229.13,34.61 213.21,34.61 211.36,36.45 211.36,40.84 R93.2
DP_F_L1-: length 24.5
  Top w0.1: C107.1 229.13,34.4 213.12,34.4 211.15,36.37 211.15,40.84 R92.2
DP_F_L2+: length 28.8
  Top w0.1: C108.1 229.14,33.11 210.1,33.11 208.16,35.05 208.16,40.84 R97.2
DP_F_L2-: length 29.2
  Top w0.1: R96.2 207.95,40.84 207.95,34.97 210.02,32.9 229.14,32.9 C109.1
DP_F_L3+: length 17.7
  Top w0.1: v3(219.51,37.75) 219.26,37.75 217.76,39.25 217.76,40.84 R81.2 ; C110.1 229.13,31.62 225.4,31.62 225.26,31.76 v3(225.26,32)
  Bottom w0.1: v3(219.51,37.75) 219.51,37.5 225.01,32 v3(225.26,32)
DP_F_L3-: length 18
  Top w0.1: R80.2 217.55,40.84 217.55,39.17 219.11,37.6 v3(219.11,37.35) ; v3(224.86,31.61) 225.11,31.61 225.31,31.41 229.13,31.41 C111.1
  Bottom w0.1: v3(219.11,37.35) 219.36,37.35 224.86,31.85 v3(224.86,31.61)
FAN_PWM: length 30.5
  Top w0.2: R42.2 179.52,87.54 M1.4 179.52,88.4 177.32,90.6 MXM1.24
JTAG_TCLK: length 25.4
  Top w0.2: MXM1.163 145,55.85 144.8,55.65 v3(144,55.65)